# KiCad board tiddlywink_square.kicad_pcb
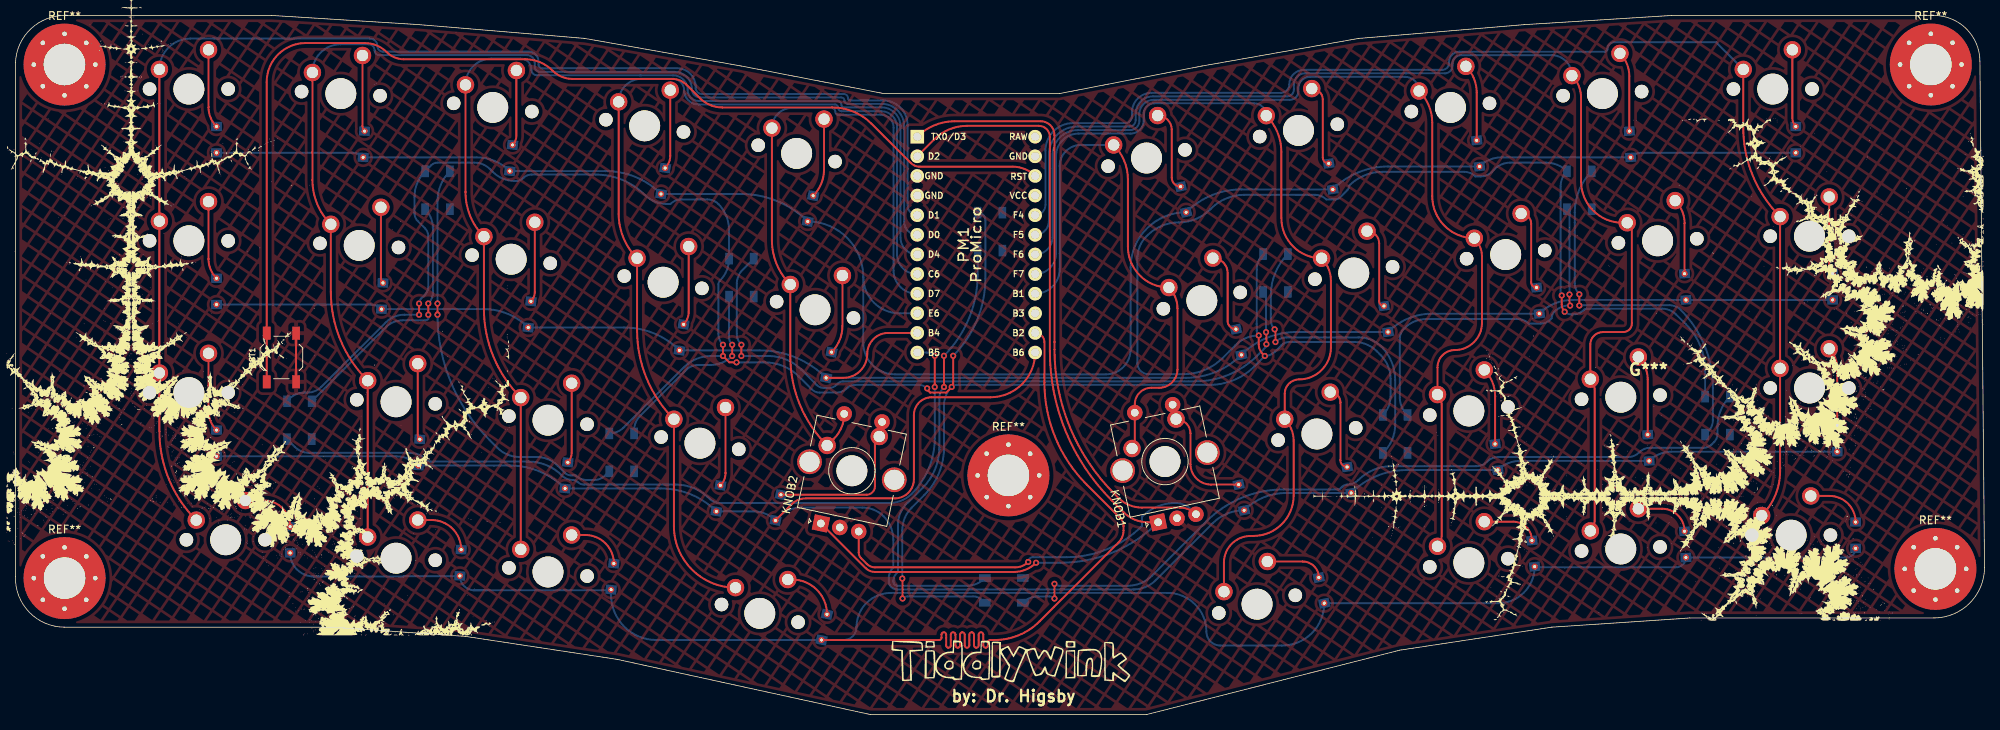
[diagram p0: board, top side]
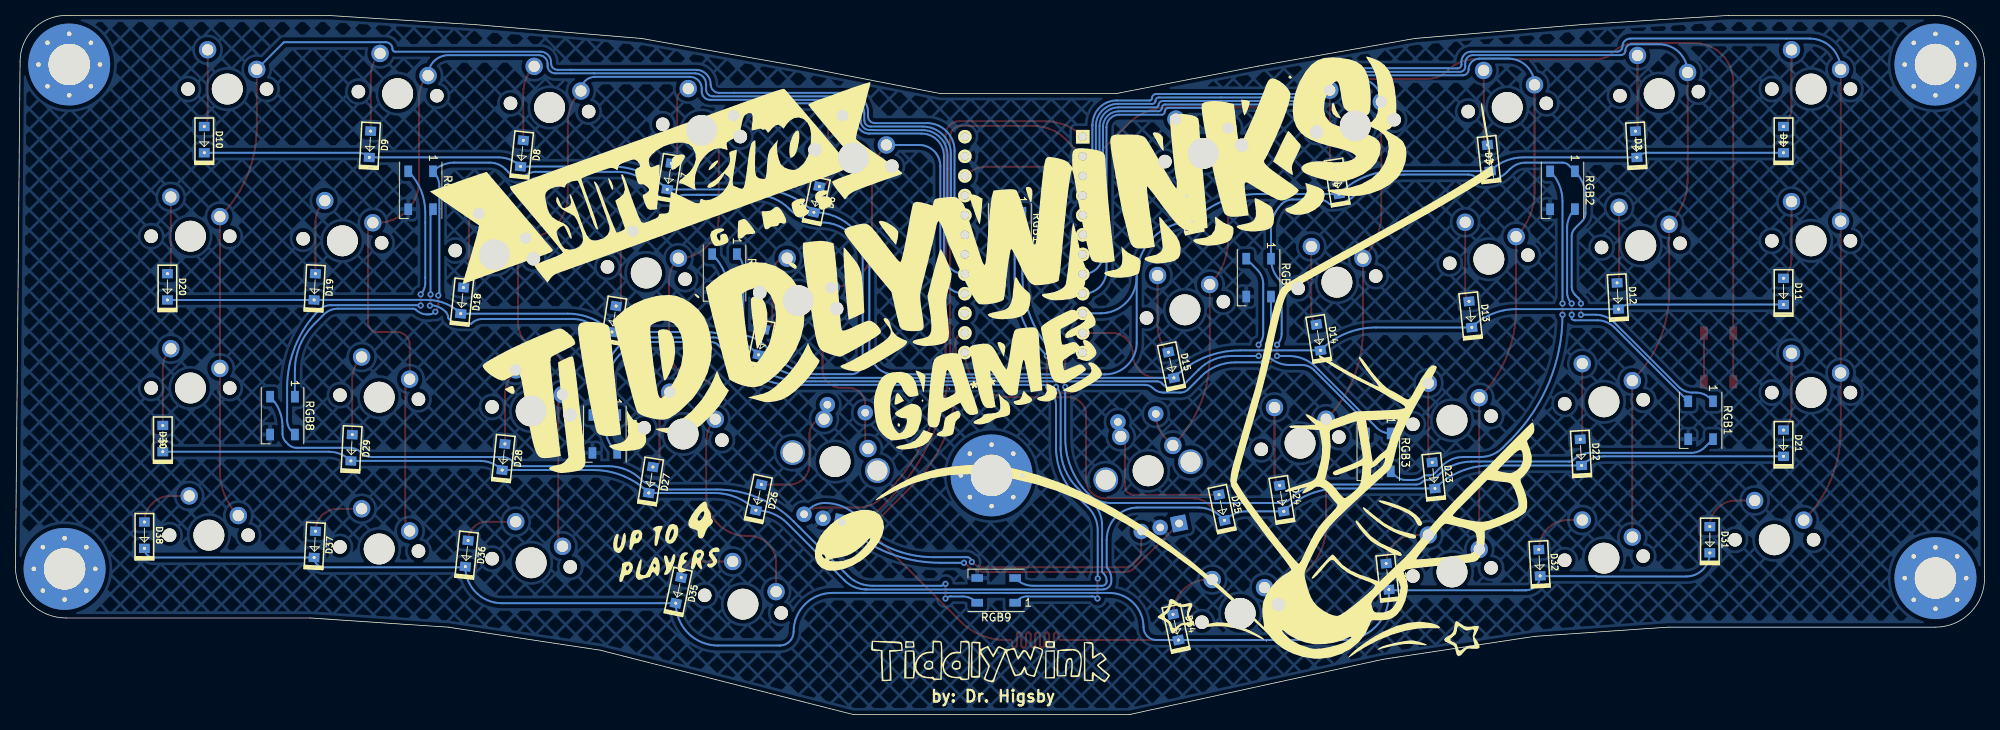
[diagram p1: board, bottom side, seen from below]

Outline 254.6 x 90.49 mm; copper layers: Top, Bottom. Coordinates in mm from the lower left corner of the outline.
Outline path: circle c6.33,84.14 r2.65 ; circle c6.35,17.66 r2.65 ; circle c128.39,30.96 r2.65 ; circle c247.65,84.14 r2.65 ; circle c248.25,18.85 r2.65 ; 0,84.34 arc(1.99,88.76) 6.53,90.48 33.14,90.49 52.19,89.3 73.62,87.51 93.86,83.94 112.32,80.37 134.94,80.37 153.39,83.94 173.63,87.51 195.06,89.3 214.11,90.49 248.05,90.49 arc(252.26,88.74) 254,84.53 254.6,19.05 arc(252.68,14.42) 248.05,12.5 216.5,12.5 198.64,11.31 178.99,8.33 146.25,0 110.53,0 77.79,7.14 58.14,10.12 40.88,11.31 6.35,11.31 arc(1.79,13.24) 0,17.85 0,84.34

## Placement (name value [footprint] x y rotation side)
   LOGO  [mandelbrot1]  31.35 53.58 270 top
 #2  LOGO  [tiddlytext]  128.67 6.96 0 top
 #3  LOGO  [tiddlytext]  128.56 6.95 180 bottom
D1  D_Small  [D_SOD123_via]  26 74.41 90 bottom
D2  D_Small  [D_SOD123_via]  45.05 73.82 87 bottom
D3  D_Small  [D_SOD123_via]  64.1 72.03 84 bottom
D4  D_Small  [D_SOD123_via]  83.74 69.06 81 bottom
D5  D_Small  [D_SOD123_via]  102.79 65.48 78 bottom
D6  D_Small  [D_SOD123_via]  151.01 66.68 102 bottom
D7  D_Small  [D_SOD123_via]  170.06 69.65 99 bottom
D8  D_Small  [D_SOD123_via]  189.11 72.63 96 bottom
D9  D_Small  [D_SOD123_via]  208.76 73.82 93 bottom
D10  D_Small  [D_SOD123_via]  230.19 74.41 90 bottom
D11  D_Small  [D_SOD123_via]  26 54.77 90 bottom
D12  D_Small  [D_SOD123_via]  47.43 54.17 87 bottom
D13  D_Small  [D_SOD123_via]  66.48 51.79 84 bottom
D14  D_Small  [D_SOD123_via]  86.12 48.82 81 bottom
D15  D_Small  [D_SOD123_via]  105.17 45.24 78 bottom
D16  D_Small  [D_SOD123_via]  158.15 48.22 102 bottom
D17  D_Small  [D_SOD123_via]  177.2 51.2 99 bottom
D18  D_Small  [D_SOD123_via]  196.85 53.58 96 bottom
D19  D_Small  [D_SOD123_via]  215.9 55.36 93 bottom
D20  D_Small  [D_SOD123_via]  234.95 55.36 90 bottom
D21  D_Small  [D_SOD123_via]  26 35.12 90 bottom
D22  D_Small  [D_SOD123_via]  52.19 33.93 87 bottom
D23  D_Small  [D_SOD123_via]  71.24 30.96 84 bottom
D24  D_Small  [D_SOD123_via]  90.88 27.98 81 bottom
D25  D_Small  [D_SOD123_via]  98.62 26.79 78 bottom
D26  D_Small  [D_SOD123_via]  158.51 28.1 102 bottom
D27  D_Small  [D_SOD123_via]  172.44 30.36 99 bottom
D28  D_Small  [D_SOD123_via]  191.49 33.34 96 bottom
D29  D_Small  [D_SOD123_via]  211.14 34.53 93 bottom
D30  D_Small  [D_SOD123_via]  235.55 35.72 90 bottom
D31  D_Small  [D_SOD123_via]  35.52 22.62 90 bottom
D32  D_Small  [D_SOD123_via]  57.55 19.65 87 bottom
D33  D_Small  [D_SOD123_via]  77.19 17.86 84 bottom
D34  D_Small  [D_SOD123_via]  104.58 11.31 78 bottom
D35  D_Small  [D_SOD123_via]  168.87 16.07 102 bottom
D36  D_Small  [D_SOD123_via]  196.25 20.84 96 bottom
D37  D_Small  [D_SOD123_via]  215.9 22.03 93 bottom
D38  D_Small  [D_SOD123_via]  237.93 23.22 90 bottom
G***  LOGO  [mandelbrot1]  211.14 44.65 0 top
G***#2  LOGO  [tiddly2]  130.18 42.27 171 bottom
KNOB1  RotaryEncoder_Switch  [RotaryEncoder_Alps_EC11E-Switch_Vertical_H20mm_CircularMountingHoles]  148.63 32.74 102 top
KNOB2  RotaryEncoder_Switch  [RotaryEncoder_Alps_EC11E-Switch_Vertical_H20mm_CircularMountingHoles]  108.15 31.55 78 top
MX1  MX-NoLED  [MXOnly-1U-NoLED]  22.42 80.96 0 top
MX2  MX-NoLED  [MXOnly-1U-NoLED]  42.07 80.37 357 top
MX3  MX-NoLED  [MXOnly-1U-NoLED]  61.71 78.58 354 top
MX4  MX-NoLED  [MXOnly-1U-NoLED]  81.36 76.2 351 top
MX5  MX-NoLED  [MXOnly-1U-NoLED]  101 72.63 348 top
MX6  MX-NoLED  [MXOnly-1U-NoLED]  146.25 72.03 12 top
MX7  MX-NoLED  [MXOnly-1U-NoLED]  165.89 75.6 9 top
MX8  MX-NoLED  [MXOnly-1U-NoLED]  185.54 78.58 6 top
MX9  MX-NoLED  [MXOnly-1U-NoLED]  205.18 80.37 3 top
MX10  MX-NoLED  [MXOnly-1.25U-NoLED]  227.21 80.96 0 top
MX11  MX-NoLED  [MXOnly-1.25U-NoLED]  22.42 61.32 0 top
MX12  MX-NoLED  [MXOnly-1U-NoLED]  44.45 60.72 357 top
MX13  MX-NoLED  [MXOnly-1U-NoLED]  64.1 58.94 354 top
MX14  MX-NoLED  [MXOnly-1U-NoLED]  83.74 55.96 351 top
MX15  MX-NoLED  [MXOnly-1U-NoLED]  103.39 52.39 348 top
MX16  MX-NoLED  [MXOnly-1U-NoLED]  153.39 53.58 12 top
MX17  MX-NoLED  [MXOnly-1U-NoLED]  173.04 57.15 9 top
MX18  MX-NoLED  [MXOnly-1U-NoLED]  192.68 59.53 6 top
MX19  MX-NoLED  [MXOnly-1U-NoLED]  212.33 61.32 3 top
MX20  MX-NoLED  [MXOnly-1U-NoLED]  231.97 61.91 0 top
MX21  MX-NoLED  [MXOnly-1.75U-NoLED]  22.42 41.67 0 top
MX22  MX-NoLED  [MXOnly-1U-NoLED]  49.21 40.48 357 top
MX23  MX-NoLED  [MXOnly-1U-NoLED]  68.86 38.1 354 top
MX24  MX-NoLED  [MXOnly-1U-NoLED]  88.5 35.12 351 top
MX25  MX-NoLED  [MXOnly-1U-NoLED#2]  108.15 31.55 348 top
MX26  MX-NoLED  [MXOnly-1U-NoLED#2]  148.63 32.74 12 top
MX27  MX-NoLED  [MXOnly-1U-NoLED]  168.28 36.31 9 top
MX28  MX-NoLED  [MXOnly-1U-NoLED]  187.92 39.29 6 top
MX29  MX-NoLED  [MXOnly-1U-NoLED]  207.57 41.08 3 top
MX30  MX-NoLED  [MXOnly-1.5U-NoLED]  231.97 42.27 0 top
MX31  MX-NoLED  [MXOnly-1.25U-NoLED]  27.19 22.62 0 top
MX32  MX-NoLED  [MXOnly-1U-NoLED]  49.21 20.24 357 top
MX33  MX-NoLED  [MXOnly-1U-NoLED]  68.86 18.45 354 top
MX34  MX-NoLED  [MXOnly-1.75U-NoLED]  96.24 13.1 347 top
MX35  MX-NoLED  [MXOnly-1.75U-NoLED]  160.54 14.29 13 top
MX36  MX-NoLED  [MXOnly-1U-NoLED]  187.92 19.65 6 top
MX37  MX-NoLED  [MXOnly-1U-NoLED]  207.57 21.43 3 top
MX38  MX-NoLED  [MXOnly-1.25U-NoLED]  229.59 23.22 0 top
PM1  ProMicro  [ArduinoProMicro]  124.22 60.82 270 top
REF**  -  [MountingHole_5.3mm_M5_Pad_Via]  6.35 84.13 0 top
REF**#2  -  [MountingHole_5.3mm_M5_Pad_Via]  248.25 18.85 0 top
REF**#3  -  [MountingHole_5.3mm_M5_Pad_Via]  128.39 30.96 0 top
REF**#4  -  [MountingHole_5.3mm_M5_Pad_Via]  6.35 17.66 0 top
REF**#5  -  [MountingHole_5.3mm_M5_Pad_Via]  247.65 84.14 0 top
RGB1  WS2812B  [LED_WS2812B_PLCC4_5.0x5.0mm_P3.2mm]  36.71 38.1 270 bottom
RGB2  WS2812B  [LED_WS2812B_PLCC4_5.0x5.0mm_P3.2mm]  54.57 67.87 270 bottom
RGB3  WS2812B  [LED_WS2812B_PLCC4_5.0x5.0mm_P3.2mm]  78.38 33.93 270 bottom
RGB4  WS2812B  [LED_WS2812B_PLCC4_5.0x5.0mm_P3.2mm]  93.86 56.55 270 bottom
RGB5  WS2812B  [LED_WS2812B_PLCC4_5.0x5.0mm_P3.2mm]  162.92 57.15 270 bottom
RGB6  WS2812B  [LED_WS2812B_PLCC4_5.0x5.0mm_P3.2mm]  178.4 36.31 270 bottom
RGB7  WS2812B  [LED_WS2812B_PLCC4_5.0x5.0mm_P3.2mm]  202.21 67.87 270 bottom
RGB8  WS2812B  [LED_WS2812B_PLCC4_5.0x5.0mm_P3.2mm]  220.07 38.7 270 bottom
RGB9  WS2812B  [LED_WS2812B_PLCC4_5.0x5.0mm_P3.2mm]  127.79 16.07 0 bottom
RGB10  WS2812B  [LED_WS2812B_PLCC4_5.0x5.0mm_P3.2mm]  126.01 62.51 270 bottom
RST1  SW_Push  [SW_SPST_TL3342]  34.39 46.22 90 top

## Library data of the parts
PM1 = -: Field4: D4; Field5: F4; Field6: D1; Field7: B6; Field8: B2; Field9: GND; Field10: D0; Field11: F7; Field12: RAW; Field13: B4; Field14: B3; Field15: ST; Field16: F5; Field17: VCC; Field18: D2; Field19: D7; Field20: E6; Field21: F6; Field22: GND; Field23: C6; Field24: RST; Field25: GND; Field26: B1; Field27: B5; Field28: TX0/D3

## Footprints (pads in the part's own frame, mm; a bottom-side part is the same pattern mirrored in y, then rotated)
ArduinoProMicro
  rect 1.753x1.753 hole 1.092: 1(-13.97,-7.62)
  round 1.753 hole 1.092: 2(-11.43,-7.62) 3(-8.89,-7.62) 4(-6.35,-7.62) 5(-3.81,-7.62) 6(-1.27,-7.62) 7(1.27,-7.62) 8(3.81,-7.62) 9(6.35,-7.62) 10(8.89,-7.62) 11(11.43,-7.62) 12(13.97,-7.62) 13(13.97,7.62) 14(11.43,7.62) 15(8.89,7.62) 16(6.35,7.62) 17(3.81,7.62) 18(1.27,7.62) 19(-1.27,7.62) 20(-3.81,7.62) 21(-6.35,7.62) 22(-8.89,7.62) 23(-11.43,7.62) 24(-13.97,7.62)
D_SOD123_via
  round 0.8 hole 0.4: 1(-1.7,0) 2(1.7,0)
  rect 1.2x1.4 smd: 1(-1.7,0) 2(1.7,0)
LED_WS2812B_PLCC4_5.0x5.0mm_P3.2mm
  rect 1.5x1 smd: 1(-2.45,1.6) 2(-2.45,-1.6) 3(2.45,-1.6) 4(2.45,1.6)
MountingHole_5.3mm_M5_Pad_Via
  round 0.9 hole 0.6: 1(-3.975,0) 1(-2.811,2.811) 1(-2.811,-2.811) 1(0,3.975) 1(0,-3.975) 1(2.811,2.811) 1(2.811,-2.811) 1(3.975,0)
  round 10.6 hole 5.3: 1(0,0)
MXOnly-1.5U-NoLED
  round 1.75 hole 1.75 unplated: (-5.08,0) (5.08,0)
  round 3.988 hole 3.988 unplated: (0,0)
  round 2.25 hole 1.47: 1(-3.81,2.54) 2(2.54,5.08)
MXOnly-1.25U-NoLED
  round 1.75 hole 1.75 unplated: (-5.08,0) (5.08,0)
  round 3.988 hole 3.988 unplated: (0,0)
  round 2.25 hole 1.47: 1(-3.81,2.54) 2(2.54,5.08)
MXOnly-1.75U-NoLED
  round 1.75 hole 1.75 unplated: (-5.08,0) (5.08,0)
  round 3.988 hole 3.988 unplated: (0,0)
  round 2.25 hole 1.47: 1(-3.81,2.54) 2(2.54,5.08)
MXOnly-1U-NoLED
  round 1.75 hole 1.75 unplated: (-5.08,0) (5.08,0)
  round 3.988 hole 3.988 unplated: (0,0)
  round 2.25 hole 1.47: 1(-3.81,2.54) 2(2.54,5.08)
MXOnly-1U-NoLED#2
  round 3.988 hole 3.988 unplated: (0,0)
  round 2.25 hole 1.47: 1(-3.81,2.54) 2(2.54,5.08)
RotaryEncoder_Alps_EC11E-Switch_Vertical_H20mm_CircularMountingHoles
  rect 2x2 hole 1: A(-7.5,2.5)
  round 2 hole 1: B(-7.5,-2.5) C(-7.5,0) S1(7,-2.5) S2(7,2.5)
  round 3.2 hole 2.6: MP(0,5.6) MP(0,-5.6)
SW_SPST_TL3342
  rect 1.7x1 smd: 1(-3.15,1.9) 1(3.15,1.9) 2(-3.15,-1.9) 2(3.15,-1.9)

## Nets
+5V: RGB1.1 RGB2.1 RGB3.1 RGB4.1 RGB5.1 RGB6.1 RGB7.1 RGB8.1 RGB9.1 RGB10.1
GND: KNOB1.C KNOB2.C PM1.3 PM1.4 PM1.23 RGB1.3 RGB2.3 RGB3.3 RGB4.3 RGB5.3 RGB6.3 RGB7.3 RGB8.3 RGB9.3 RGB10.3 RST1.2
VCC: PM1.21
c1: MX1.1 MX11.1 MX21.1 MX31.1 PM1.5
c2: MX2.1 MX12.1 MX22.1 MX32.1 PM1.6
c3: MX3.1 MX13.1 MX23.1 MX33.1 PM1.7
c4: MX4.1 MX14.1 MX24.1 MX34.1 PM1.8
c5: KNOB2.S2 MX5.1 MX15.1 MX25.1 PM1.9
c6: KNOB1.S2 MX6.1 MX16.1 MX26.1 PM1.16
c7: MX7.1 MX17.1 MX27.1 MX35.1 PM1.17
c8: MX8.1 MX18.1 MX28.1 MX36.1 PM1.18
c9: MX9.1 MX19.1 MX29.1 MX37.1 PM1.19
c10: MX10.1 MX20.1 MX30.1 MX38.1 PM1.20
PM1: KNOB1.A KNOB2.A PM1.2
PM2: KNOB1.B KNOB2.B PM1.1
r1: D1.1 D2.1 D3.1 D4.1 D5.1 D6.1 D7.1 D8.1 D9.1 D10.1 PM1.10
r2: D11.1 D12.1 D13.1 D14.1 D15.1 D16.1 D17.1 D18.1 D19.1 D20.1 PM1.11
r3: D21.1 D22.1 D23.1 D24.1 D25.1 D26.1 D27.1 D28.1 D29.1 D30.1 PM1.13
r4: D31.1 D32.1 D33.1 D34.1 D35.1 D36.1 D37.1 D38.1 PM1.14
RGB: PM1.12 RGB1.4
RST: PM1.22 RST1.1
Net-(D1-Pad2): D1.2 MX1.2
Net-(D2-Pad2): D2.2 MX2.2
Net-(D3-Pad2): D3.2 MX3.2
Net-(D4-Pad2): D4.2 MX4.2
Net-(D5-Pad2): D5.2 MX5.2
Net-(D6-Pad2): D6.2 MX6.2
Net-(D7-Pad2): D7.2 MX7.2
Net-(D8-Pad2): D8.2 MX8.2
Net-(D9-Pad2): D9.2 MX9.2
Net-(D10-Pad2): D10.2 MX10.2
Net-(D11-Pad2): D11.2 MX11.2
Net-(D12-Pad2): D12.2 MX12.2
Net-(D13-Pad2): D13.2 MX13.2
Net-(D14-Pad2): D14.2 MX14.2
Net-(D15-Pad2): D15.2 MX15.2
Net-(D16-Pad2): D16.2 MX16.2
Net-(D17-Pad2): D17.2 MX17.2
Net-(D18-Pad2): D18.2 MX18.2
Net-(D19-Pad2): D19.2 MX19.2
Net-(D20-Pad2): D20.2 MX20.2
Net-(D21-Pad2): D21.2 MX21.2
Net-(D22-Pad2): D22.2 MX22.2
Net-(D23-Pad2): D23.2 MX23.2
Net-(D24-Pad2): D24.2 MX24.2
Net-(D25-Pad2): D25.2 KNOB2.S1 MX25.2
Net-(D26-Pad2): D26.2 KNOB1.S1 MX26.2
Net-(D27-Pad2): D27.2 MX27.2
Net-(D28-Pad2): D28.2 MX28.2
Net-(D29-Pad2): D29.2 MX29.2
Net-(D30-Pad2): D30.2 MX30.2
Net-(D32-Pad2): D32.2 MX32.2
Net-(D33-Pad2): D33.2 MX33.2
Net-(D34-Pad2): D34.2 MX34.2
Net-(D35-Pad2): D35.2 MX35.2
Net-(D36-Pad2): D36.2 MX36.2
Net-(D37-Pad2): D37.2 MX37.2
Net-(MX31-Pad2): D31.2 MX31.2
Net-(MX38-Pad2): D38.2 MX38.2
Net-(RGB1-Pad2): RGB1.2 RGB2.4
Net-(RGB2-Pad2): RGB2.2 RGB3.4
Net-(RGB3-Pad2): RGB3.2 RGB4.4
Net-(RGB4-Pad2): RGB4.2 RGB5.4
Net-(RGB5-Pad2): RGB5.2 RGB6.4
Net-(RGB6-Pad2): RGB6.2 RGB7.4
Net-(RGB7-Pad2): RGB7.2 RGB8.4
Net-(RGB8-Pad2): RGB8.2 RGB9.4
Net-(RGB10-Pad4): RGB9.2 RGB10.4

Pads without a net: KNOB1 MP; KNOB2 MP; PM1 15 24; REF** 1; REF**#2 1; REF**#3 1; REF**#4 1; REF**#5 1; RGB10 2

## Via types
v1: diameter 0.8, hole 0.4, Top to Bottom, 38 vias

## Routing (per net, layer and track width the routed paths; a pad name or vN(x,y) marks a point on that pad's centre or on a via; arc(x,y) is an arc through that point)
+5V: length 438.5
  Top w0.25: v1(93.23,45.59) 92.31,45.59 v1(91.48,46.41) v1(91.48,47.86) ; v1(161.54,46.41) 161.25,46.7 arc(160.88,47.26) 160.75,47.91 v1(160.75,49.07) ; v1(52.19,51.75) v1(52.19,53.2) ; v1(117.88,42.22) 117.79,42.22 arc(117.73,42.23) 117.67,42.27 118.26,41.68 120.35,41.68 121.05,42.38 v1(121.05,42.4) arc(121.2,42.61) 121.25,42.86 v1(121.25,46.43) ; v1(199.93,54.25) 199.93,53.06 arc(200.03,52.56) v1(200.31,52.14) ; v1(114.7,15.02) 114.7,17.53 arc(114.69,17.57) v1(114.66,17.61)
  Bottom w0.25: 120.05,34.53 120.05,33.93 ; 120.05,34.53 120.05,39.99 arc(120.31,41.29) v1(121.05,42.4) arc(121.36,42.6) 121.72,42.68 148.44,42.68 ; 120.05,34.53 arc(119.4,31.23) 117.53,28.43 115.89,26.79 arc(114.98,25.43) 114.66,23.84 v1(114.66,17.61) ; v1(52.19,51.75) 50.29,51.75 arc(48.98,51.49) 47.87,50.75 39.54,42.41 arc(38.72,41.86) 37.75,41.67 37.31,41.67 arc(36.31,41.47) 35.47,40.91 RGB1.1 ; 148.44,42.68 148.82,42.68 ; 148.44,42.68 148.45,42.67 154.4,42.67 arc(157.54,43.3) 160.2,45.07 v1(161.54,46.41) arc(162.24,46.55) 162.84,46.95 163.69,47.8 arc(164.15,48.11) 164.7,48.22 173.14,48.22 arc(174.7,47.91) 176.01,47.03 176.54,46.51 arc(177.47,45.11) 177.8,43.46 177.8,41.19 arc(177.54,39.88) RGB6.1 ; RGB8.1 218.47,44.55 arc(217.83,47.77) 216,50.5 214.71,51.79 arc(213.89,52.34) 212.92,52.53 203.16,52.53 arc(202.96,52.5) 202.8,52.39 arc(202.14,51.95) 201.37,51.79 201.14,51.79 arc(200.69,51.88) v1(200.31,52.14) ; 166.49,67.27 168.03,67.27 arc(168.81,67.12) 169.47,66.68 170.66,66.68 arc(170.98,66.74) 171.25,66.92 172.2,67.87 arc(172.38,68.14) 172.44,68.46 arc(174.42,69.78) 176.75,70.25 187.33,70.25 arc(188.1,70.09) 188.76,69.65 189.46,69.65 arc(190.24,69.81) 190.9,70.25 191.25,70.6 arc(192.18,71.22) 193.28,71.44 197.9,71.44 arc(199.37,71.15) RGB7.1 arc(200,69.4) 199.78,68.33 199.78,54.59 arc(199.82,54.4) v1(199.93,54.25) ; 166.49,67.27 165.55,67.27 ; 166.49,67.27 158.89,67.27 arc(156.56,66.81) 154.58,65.48 154.48,65.38 arc(152.62,64.14) 150.42,63.7 arc(148.22,63.26) 146.35,62.01 146.25,61.91 arc(145.37,60.59) 145.06,59.04 145.06,45.49 arc(145.48,44.47) 146.5,44.05 151.01,44.05 arc(153.76,44.6) 156.09,46.16 157.76,47.83 arc(159.13,48.75) v1(160.75,49.07) arc(160.56,49.35) 160.49,49.69 160.49,57.61 arc(160.71,58.69) RGB5.1 ; v1(91.48,46.41) 89.96,46.41 arc(88.04,46.03) 86.42,44.95 78.62,37.14 arc(77.77,36.58) RGB3.1 ; v1(93.23,45.59) 96.89,45.59 arc(99.28,45.11) 101.3,43.76 102.97,42.09 arc(103.43,41.78) 103.98,41.67 106.12,41.67 arc(106.89,41.83) 107.55,42.27 arc(108.01,42.57) 108.54,42.68 116.78,42.68 arc(117.38,42.56) v1(117.88,42.22) ; RGB9.1 125.03,14.79 arc(124.47,15.16) 123.81,15.29 115.36,15.29 arc(115,15.22) v1(114.7,15.02) ; RGB10.1 arc(125.12,64.66) 125.41,63.95 125.41,56.49 arc(124.33,51.05) v1(121.25,46.43) ; v1(52.19,53.2) arc(52.26,53.55) 52.46,53.85 52.96,54.35 arc(53.27,54.81) 53.38,55.36 53.38,61.91 arc(53.27,62.46) 52.96,62.93 52.01,63.87 arc(51.7,64.34) 51.59,64.89 51.59,66.99 arc(51.95,68.79) RGB2.1 53.75,71.1 arc(54.13,71.35) 54.57,71.44 59.33,71.44 arc(60.43,71.22) 61.37,70.6 61.71,70.25 arc(63.03,69.37) 64.59,69.06 64.69,69.06 arc(65.24,69.17) 65.71,69.48 arc(66.17,69.78) 66.71,69.89 75.03,69.89 arc(78.45,69.21) 81.36,67.27 arc(82.68,66.39) 84.23,66.08 84.68,66.08 arc(85.34,66.52) 86.12,66.68 89.45,66.68 arc(90.23,66.52) 90.88,66.08 arc(91.9,64.56) 92.26,62.76 RGB4.1 arc(91.95,57.46) 91.08,56.16 arc(90.94,55.94) 90.88,55.68 90.88,49.3 arc(91.04,48.52) v1(91.48,47.86)
GND: length 6.3
  Top w0.25: RST1.2 RST1.2
c1: length 177.7
  Top w0.25: MX1.1 MX11.1 MX21.1 18.61,36.66 arc(19.85,30.44) MX31.1
  Bottom w0.25: PM1.5 arc(115.72,65) 115.36,65.88 115.36,76.27 arc(115.35,76.28) 115.35,76.28 115.35,76.35 arc(114.43,78.57) 112.21,79.49 107.93,79.49 arc(107.73,79.57) 107.65,79.77 arc(107.48,80.16) 107.09,80.33 97.28,80.33 97.27,80.32 88.76,80.32 arc(88.18,80.55) 87.95,81.13 87.95,81.25 arc(87.24,82.95) 85.54,83.66 69.35,83.66 arc(69.34,83.65) 69.34,83.64 68.11,83.64 arc(67.78,83.78) 67.64,84.12 67.64,84.52 arc(67.26,85.43) 66.35,85.81 47.5,85.81 arc(47.02,86.01) 46.82,86.49 arc(46.52,87.2) 45.81,87.49 22.6,87.49 arc(19.78,86.32) MX1.1
c2: length 161.9
  Top w0.25: MX32.1 MX22.1 arc(42.02,48.49) 40.78,54.71 MX12.1 arc(39.02,66.1) 38.4,69.21 MX2.1
  Bottom w0.25: 112.02,79.04 107.6,79.04 arc(107.31,79.15) 107.2,79.44 107.2,79.44 arc(107.07,79.75) 106.76,79.88 98.75,79.88 98.74,79.87 88.51,79.87 arc(88.49,79.88) 88.48,79.9 arc(87.76,80.19) 87.47,80.91 87.47,80.93 arc(86.8,82.53) 85.2,83.19 69.38,83.19 67.83,83.19 arc(67.35,83.39) 67.15,83.88 67.15,84.35 arc(66.85,85.06) 66.14,85.36 47.05,85.36 arc(46.61,85.54) 46.44,85.97 arc(46.2,86.53) 45.65,86.76 42.05,86.76 arc(39.47,85.69) MX2.1 ; PM1.6 arc(115.4,62.59) 114.91,63.79 114.91,76.16 arc(114.06,78.2) 112.02,79.05
c3: length 143
  Top w0.25: MX3.1 58.19,67.61 arc(58.81,64.5) MX13.1 60.57,52.52 arc(61.81,46.3) MX23.1 MX33.1
  Bottom w0.25: PM1.7 arc(115.07,60.19) 114.44,61.72 114.44,76.14 arc(113.72,77.87) 111.99,78.59 107.08,78.59 arc(106.89,78.66) 106.82,78.85 arc(106.65,79.25) 106.25,79.42 88.36,79.42 arc(87.34,79.84) 86.92,80.86 arc(86.36,82.19) 85.03,82.74 80.84,82.74 80.78,82.74 67.45,82.74 arc(66.93,82.95) 66.72,83.47 arc(66.3,84.49) 65.28,84.91 61.59,84.91 arc(59.19,83.91) MX3.1
c4: length 131.1
  Top w0.25: MX4.1 77.99,64.81 arc(78.61,61.7) MX14.1 80.37,49.73 arc(81.61,43.5) MX24.1 85.14,24.39 arc(87.47,18.76) MX34.1
  Bottom w0.25: PM1.8 116.55,57.01 arc(114.74,57.77) 113.99,59.58 113.99,76.04 arc(113.39,77.49) 111.94,78.09 106.81,78.09 arc(106.49,78.22) 106.37,78.53 106.37,78.56 arc(106.25,78.85) 105.96,78.97 88.3,78.97 arc(87,79.51) 86.46,80.82 arc(86.03,81.86) 84.99,82.29 80.98,82.29 arc(78.87,81.41) MX4.1
c5: length 89.8
  Top w0.25: MX5.1 97.81,61.41 arc(98.42,58.3) MX15.1 100.19,46.33 arc(101.43,40.1) MX25.1 105.83,35.71 arc(106.81,37.18) KNOB2.S2
  Bottom w0.25: PM1.9 116.52,54.47 arc(114.41,55.35) 113.54,57.46 113.54,76 arc(113.06,77.16) 111.9,77.64 106.39,77.64 arc(106.12,77.75) 106.01,78.02 arc(105.86,78.37) 105.5,78.52 100.42,78.52 arc(98.57,77.75) MX5.1
c6: length 73.7
  Top w0.25: MX26.1 arc(144.63,34.54) 144.73,34.79 KNOB1.S2 144.73,40.15 arc(145.36,41.67) 146.88,42.3 147.87,42.3 arc(149.55,42.99) 150.25,44.68 150.25,52.59 arc(149.96,54.04) MX16.1 arc(145.39,56.82) 143.84,60.57 143.84,69.28 arc(143.36,71.68) MX6.1
  Bottom w0.25: MX6.1 137.75,73.73 arc(135.82,72.92) 135.02,70.99 135.02,57.65 arc(134.09,55.4) PM1.16
c7: length 123.6
  Top w0.25: MX35.1 156.25,19.66 arc(157.26,22.11) 159.71,23.12 160.05,23.12 arc(163.74,24.65) 165.27,28.34 165.27,35.45 arc(164.97,36.95) MX27.1 164.11,41.53 arc(164.66,42.83) 165.97,43.38 arc(168.88,44.58) 170.09,47.5 170.09,56.14 arc(169.77,57.72) MX17.1 arc(165.2,60.59) 163.68,64.26 163.68,72.83 arc(163.17,75.37) MX7.1
  Bottom w0.25: MX7.1 arc(161.26,78.65) 160.13,79.12 147.21,79.12 arc(146.27,78.73) 145.88,77.78 145.88,76.88 arc(145.38,75.69) 144.2,75.2 137.44,75.2 arc(135.39,74.35) 134.55,72.3 134.55,61.87 134.55,59.72 arc(133.75,57.81) PM1.17
c8: length 135.2
  Top w0.25: MX36.1 arc(184.27,22.37) 184.41,23.08 184.41,40.11 arc(184.27,40.82) MX28.1 183.87,44.94 arc(184.52,46.52) 186.11,47.18 arc(188.59,48.21) 189.62,50.69 189.62,59.27 arc(189.36,60.57) MX18.1 arc(184.78,63.25) 183.19,67.1 183.19,76.6 arc(182.74,78.82) MX8.1
  Bottom w0.25: MX8.1 arc(180.95,82.01) 179.65,82.55 167.41,82.55 arc(166.32,82.1) 165.87,81.01 165.87,80.65 arc(165.55,79.88) 164.79,79.57 147.17,79.57 arc(145.86,79.02) 145.32,77.72 145.32,76.85 arc(144.97,76) 144.12,75.65 143.57,75.65 143.57,75.65 137.33,75.65 arc(135.04,74.7) 134.1,72.42 134.1,61.81 arc(133.44,60.21) PM1.18
c9: length 156.4
  Top w0.25: MX9.1 arc(202.12,81.4) 202.43,79.86 202.43,69.02 arc(204,65.23) 207.79,63.65 MX19.1 arc(208.82,63.48) 209,63.05 209,50.62 arc(208.67,49.83) 207.89,49.51 205.25,49.51 arc(204.1,49.03) 203.63,47.89 MX29.1 arc(204.04,42.8) 204.19,42.07 204.19,25.12 arc(204.04,24.39) MX37.1
  Bottom w0.25: MX9.1 arc(200.47,84.57) 198.6,85.35 186.93,85.35 arc(186.13,85.02) 185.8,84.21 185.8,83.97 arc(185.51,83.28) 184.83,83 179.81,83 179.8,83 166.74,83 arc(165.72,82.58) 165.3,81.56 165.3,80.9 arc(165.04,80.27) 164.41,80.02 147.08,80.02 arc(145.5,79.36) 144.85,77.78 144.85,76.93 arc(144.61,76.35) 144.03,76.11 137.26,76.11 arc(134.69,75.04) 133.63,72.47 133.63,67.57 133.63,63.88 arc(133.1,62.62) PM1.19
c10: length 168.7
  Top w0.25: MX10.1 223.4,75.95 arc(224.64,69.73) MX20.1 MX30.1 228.16,31.51 arc(227.54,28.39) MX38.1
  Bottom w0.25: MX10.1 219.88,87.02 206.74,87.02 arc(206.11,86.76) 205.85,86.13 arc(205.75,85.89) 205.52,85.8 186.72,85.8 arc(185.75,85.4) 185.35,84.43 185.35,84.3 arc(185.1,83.7) 184.5,83.45 182.77,83.45 182.76,83.45 166.6,83.45 arc(165.26,82.9) 164.7,81.56 arc(164.38,80.79) 163.61,80.47 161.74,80.47 161.73,80.47 146.9,80.47 arc(145.11,79.73) 144.37,77.94 144.37,77.43 arc(144.11,76.81) 143.5,76.56 136.76,76.56 arc(134.22,75.51) 133.18,72.98 133.18,65.97 arc(132.79,65.03) PM1.20
PM1: length 123.8
  Top w0.25: KNOB1.A 146.43,24.89 arc(144.72,25.23) 143.27,26.19 141.75,27.72 arc(135.83,36.58) 133.75,47.03 133.75,74.76 arc(133.33,75.78) 132.31,76.2 123.03,76.2 arc(120.74,75.74) 118.79,74.44 PM1.2 ; 104.14,24.26 KNOB2.A 109.93,18.95 arc(110.48,18.58) 111.13,18.45 129.09,18.45 arc(130.64,18.76) v1(131.96,19.65)
  Bottom w0.25: v1(131.96,19.65) 135.09,19.65 arc(141.94,21.01) KNOB1.A
PM2: length 130.7
  Top w0.25: KNOB2.B 109.03,20.98 arc(109.11,20.58) 109.34,20.24 110.11,19.47 arc(110.58,19.16) 111.13,19.05 129.26,19.05 arc(130.17,19.23) v1(130.95,19.75) ; PM1.1 arc(118.82,76.28) 121.43,76.8 132.56,76.8 arc(133.82,76.27) 134.34,75.01 134.34,47.26 arc(136.35,37.15) 142.08,28.58 142.6,28.05 arc(144,27.12) 145.65,26.79 150.55,26.79 arc(151.68,26.56) KNOB1.B
  Bottom w0.25: 152.4,26.16 KNOB1.B 152.03,26.53 arc(151.08,27.16) 149.96,27.38 arc(147.63,26.92) 145.65,25.6 145.65,24.41 arc(141.18,21.42) 135.9,20.37 131.57,20.37 arc(131.13,20.19) v1(130.95,19.75) ; 152.8,26.19 152.62,26.02
r1: length 250.3
  Bottom w0.25: D1.1 43.52,72.71 arc(44.3,72.56) D2.1 59.62,72.12 arc(61.95,71.66) D3.1 76.32,70.34 arc(80.19,69.57) D4.1 93.85,67.38 arc(98.5,66.45) D5.1 ; PM1.10 114.32,51.93 arc(111,53.31) 109.63,56.63 ; 109.63,56.63 109.63,48.12 arc(110.82,45.23) 113.72,44.03 140.97,44.03 arc(143.24,44.97) 144.19,47.25 144.19,57.85 arc(146.28,62.91) 151.35,65.01 D6.1 arc(154.64,67.2) 158.51,67.97 D7.1 arc(173.61,70.17) 177.49,70.94 D8.1 arc(190.6,71.81) 192.15,72.12 D9.1 arc(209.5,72.56) 210.28,72.71 D10.1 ; 109.63,56.63 arc(107.52,61.72) D5.1 ; D5.1 102.84,63.42
r2: length 229.3
  Top w0.25: D15.1 107.04,43.58 arc(109.23,44.49) 110.14,46.68 arc(110.93,48.6) 112.85,49.39 PM1.11
  Bottom w0.25: D20.1 215.99,53.66 arc(215.99,53.66) D19.1 201.32,53.67 arc(199,53.2) D18.1 183.19,51.89 arc(180.1,51.27) D17.1 165.66,49.52 arc(161.79,48.75) D16.1 arc(155.21,44.35) 151.32,43.58 D15.1 arc(100.88,46.21) 96.23,47.14 D14.1 arc(82.57,49.33) 78.7,50.1 D13.1 arc(63.67,51.86) 60.57,52.48 D12.1 arc(46.68,52.91) 45.91,53.07 D11.1
r3: length 276.6
  Top w0.25: D25.1 100.37,27.22 arc(101.21,27.78) 102.2,27.98 113.7,27.98 arc(115.44,28.7) 116.17,30.45 116.17,38.76 arc(116.84,40.39) 118.48,41.07 126.05,41.07 arc(130.15,42.76) PM1.13 arc(131.9,46.83) 131.93,46.77
  Bottom w0.25: D21.1 49.23,33.42 arc(50.78,33.11) D22.1 63.89,32.24 arc(67.77,31.46) D23.1 83.46,29.27 arc(87.33,28.5) D24.1 95.43,26.3 arc(96.97,26) D25.1 98.75,25.61 arc(100.06,26.48) 101.6,26.79 109.54,26.79 arc(111,26.5) 112.24,25.67 arc(113.18,24.27) 113.51,22.62 113.51,19.05 arc(113.07,18.39) 112.91,17.61 112.91,17.26 arc(113.22,16.51) 113.98,16.2 144.59,16.2 ; 144.59,16.2 144.82,16.2 ; 144.59,16.2 arc(146.11,16.5) 147.41,17.36 154.8,24.76 arc(156.66,26) D26.1 arc(161.35,28.1) 164.27,28.68 D27.1 arc(175.99,30.88) 179.87,31.65 D28.1 arc(192.98,32.52) 194.53,32.83 D29.1 arc(212.54,33.71) 214.1,34.02 D30.1
r4: length 317.3
  Top w0.25: D34.1 119.44,9.65 arc(119.65,9.74) 119.74,9.95 119.74,10.35 arc(119.82,10.56) 120.04,10.65 arc(120.25,10.56) 120.34,10.35 120.34,8.95 arc(120.42,8.74) 120.64,8.65 arc(120.85,8.74) 120.94,8.95 120.94,10.35 arc(121.02,10.56) 121.24,10.65 arc(121.45,10.56) 121.54,10.35 121.54,8.95 arc(121.62,8.74) 121.84,8.65 arc(122.05,8.74) 122.14,8.95 122.14,10.35 arc(122.22,10.56) 122.44,10.65 arc(122.65,10.56) 122.74,10.35 122.74,8.95 arc(122.82,8.74) 123.04,8.65 arc(123.25,8.74) 123.34,8.95 123.34,10.35 arc(123.42,10.56) 123.64,10.65 arc(123.85,10.56) 123.94,10.35 123.94,8.95 arc(124.02,8.74) 124.24,8.65 arc(124.45,8.74) 124.54,8.95 124.54,10.35 arc(124.62,10.56) 124.84,10.65 arc(125.05,10.56) 125.14,10.35 125.14,8.95 arc(125.22,8.74) 125.44,8.65 arc(125.65,8.74) 125.74,8.95 125.74,9.35 arc(125.82,9.56) 126.04,9.65 126.59,9.65 arc(129.74,10.27) 132.41,12.06 142.64,22.29 arc(143.11,22.99) 143.27,23.81 143.27,24.41 arc(143.16,24.96) 142.85,25.42 138.52,29.76 arc(134.47,35.82) 133.04,42.97 133.04,48.19 arc(132.69,49.04) PM1.14
  Bottom w0.25: 60.83,16.09 76.93,16.09 D33.1 77.01,15.5 arc(78.73,11.36) 82.86,9.65 D34.1 107.08,9.65 arc(108.26,10.14) 108.74,11.31 arc(110.04,14.44) 113.17,15.74 144.63,15.74 145.06,15.74 148.96,15.74 arc(152.51,14.27) 153.99,10.72 arc(154.51,9.45) 155.77,8.93 163.74,8.93 arc(167.62,10.54) D35.1 191.7,14.41 arc(195.05,15.8) D36.1 196.51,19.06 214.72,19.06 arc(215.62,19.43) D37.1 236.74,20.33 arc(237.58,20.68) D38.1 ; 60.83,16.09 59.25,16.09 ; 60.83,16.09 59.32,16.09 arc(58,16.63) D32.1 ; 57.42,17.91 50.23,17.91 50.19,17.87 38.57,17.87 arc(36.41,18.77) D31.1
RGB: length 104.5
  Top w0.25: v1(118.86,42.4) v1(118.86,46.43)
  Bottom w0.25: PM1.12 117.85,46.85 arc(118.4,46.75) v1(118.86,46.43) ; RGB1.4 36.13,34.63 arc(36.97,34.07) 37.96,33.87 50.94,33.87 arc(52.15,33.63) 53.18,32.95 arc(53.4,32.8) 53.67,32.74 66.33,32.74 arc(68.67,32.28) 70.64,30.96 arc(71.3,30.52) 72.08,30.36 arc(72.4,30.3) 72.68,30.11 arc(73.06,29.86) 73.52,29.77 85.38,29.77 arc(87.72,29.3) 89.69,27.98 arc(90.35,27.54) 91.13,27.38 113.01,27.38 arc(114.57,27.69) 115.89,28.58 arc(118.09,31.87) 118.86,35.76 v1(118.86,42.4)
RST: length 146.7
  Top w0.25: RST1.1 RST1.1 32.49,81.88 arc(33.96,85.44) 37.52,86.92 45.15,86.92 arc(46.7,86.61) 48.02,85.73 arc(49.03,85.05) 50.21,84.82 65.9,84.82 arc(67.82,84.43) 69.45,83.34 arc(70.64,82.55) 72.05,82.27 84.93,82.27 arc(85.92,82.07) 86.76,81.51 88.5,79.77 arc(89.82,78.89) 91.38,78.58 105.63,78.58 arc(108.35,78.04) 110.66,76.5 115.78,71.38 arc(116.29,71.04) 116.9,70.92 128.94,70.92 arc(130.51,70.6) PM1.22
  Bottom w0.25: 131.79,69.77 arc(131.83,69.75) PM1.22
Net-(D1-Pad2): length 10.2
  Top w0.25: MX1.2 24.96,78.61 arc(25.23,77.26) D1.2
Net-(D2-Pad2): length 9.9
  Top w0.25: MX2.2 44.87,76.15 arc(44.94,75.81) D2.2
Net-(D3-Pad2): length 9.8
  Top w0.25: MX3.2 64.77,74.93 arc(64.64,74.28) D3.2
Net-(D4-Pad2): length 10.3
  Top w0.25: MX4.2 84.66,72.32 arc(84.49,71.46) D4.2
Net-(D5-Pad2): length 10.3
  Top w0.25: MX5.2 104.55,70.53 arc(104.18,68.7) D5.2
Net-(D6-Pad2): length 10.9
  Top w0.25: D6.2 arc(149.84,68.68) 149.51,69.49 149.51,75.7 arc(148.97,76.99) MX6.2
Net-(D7-Pad2): length 10.9
  Top w0.25: MX7.2 arc(168.62,80.6) 169.04,79.59 169.04,72.09 arc(169.26,71.55) D7.2
Net-(D8-Pad2): length 10
  Top w0.25: D8.2 188.93,80.52 arc(188.57,82.35) MX8.2
Net-(D9-Pad2): length 10.4
  Top w0.25: D9.2 208.67,82.65 arc(208.35,84.23) MX9.2
Net-(D10-Pad2): length 10
  Top w0.25: MX10.2 229.75,77.17 arc(229.86,76.6) D10.2
Net-(D11-Pad2): length 10.2
  Top w0.25: MX11.2 24.96,58.96 arc(25.23,57.61) D11.2
Net-(D12-Pad2): length 9.9
  Top w0.25: MX12.2 47.25,56.51 arc(47.32,56.16) D12.2
Net-(D13-Pad2): length 10.4
  Top w0.25: MX13.2 67.15,54.69 arc(67.02,54.03) D13.2
Net-(D14-Pad2): length 10.3
  Top w0.25: MX14.2 87.04,52.08 arc(86.87,51.22) D14.2
Net-(D15-Pad2): length 10.3
  Top w0.25: MX15.2 106.93,50.29 arc(106.56,48.46) D15.2
Net-(D16-Pad2): length 10.9
  Top w0.25: MX16.2 arc(156.17,58.52) 156.73,57.17 156.73,50.96 arc(157.04,50.2) D16.2
Net-(D17-Pad2): length 10.9
  Top w0.25: MX17.2 arc(175.86,62.1) 176.33,60.99 176.33,53.49 arc(176.51,53.06) D17.2
Net-(D18-Pad2): length 10.7
  Top w0.25: MX18.2 arc(195.6,64.47) 195.98,63.55 195.98,55.97 arc(196.18,55.47) D18.2
Net-(D19-Pad2): length 9.8
  Top w0.25: D19.2 215.81,63.6 arc(215.5,65.18) MX19.2
Net-(D20-Pad2): length 10
  Top w0.25: MX20.2 234.51,58.12 arc(234.63,57.55) D20.2
Net-(D21-Pad2): length 10.2
  Top w0.25: MX21.2 24.96,39.31 arc(25.23,37.97) D21.2
Net-(D22-Pad2): length 9.9
  Top w0.25: MX22.2 52.01,36.27 arc(52.08,35.92) D22.2
Net-(D23-Pad2): length 10.4
  Top w0.25: MX23.2 71.91,33.85 arc(71.79,33.2) D23.2
Net-(D24-Pad2): length 10.3
  Top w0.25: MX24.2 91.81,31.24 arc(91.64,30.39) D24.2
Net-(D25-Pad2): length 21.6
  Top w0.25: KNOB2.S1 112.05,36.35 arc(111.94,36.1) MX25.2 arc(111.29,35.83) 111.13,35.43 111.13,29.53 arc(110.81,28.77) 110.04,28.45 D25.2
Net-(D26-Pad2): length 16.7
  Top w0.25: KNOB1.S1 149.62,38.68 MX26.2 arc(151.38,37.69) 151.93,36.37 151.93,32.42 arc(152.7,30.54) 154.58,29.77 D26.2
Net-(D27-Pad2): length 10.9
  Top w0.25: MX27.2 arc(170.93,41.34) 171.32,40.4 171.32,32.9 arc(171.57,32.29) D27.2
Net-(D28-Pad2): length 10
  Top w0.25: D28.2 191.31,41.23 arc(190.95,43.06) MX28.2
Net-(D29-Pad2): length 10.4
  Top w0.25: D29.2 211.05,43.36 arc(210.73,44.94) MX29.2
Net-(D30-Pad2): length 10.2
  Top w0.25: D30.2 235.55,44.86 arc(235.28,46.2) MX30.2
Net-(D32-Pad2): length 7.8
  Top w0.25: MX32.2 53.8,25.18 arc(56.51,24.06) D32.2
Net-(D33-Pad2): length 7.6
  Top w0.25: MX33.2 73.68,23.24 arc(76.29,22.16) D33.2
Net-(D34-Pad2): length 7.6
  Top w0.25: MX34.2 100.43,17.48 arc(103.61,16.16) D34.2
Net-(D35-Pad2): length 7.8
  Top w0.25: MX35.2 166.44,19.81 arc(167.91,19.2) D35.2
Net-(D36-Pad2): length 7.6
  Top w0.25: MX36.2 193.64,24.96 arc(195.36,24.25) D36.2
Net-(D37-Pad2): length 7.6
  Top w0.25: MX37.2 212.9,26.64 arc(214.96,25.78) D37.2
Net-(MX31-Pad2): length 7.7
  Top w0.25: MX31.2 32.14,27.7 arc(34.53,26.71) D31.2
Net-(MX38-Pad2): length 7.7
  Top w0.25: MX38.2 234.55,28.3 arc(236.94,27.31) D38.2
Net-(RGB1-Pad2): length 34.5
  Top w0.25: v1(53.38,53.2) v1(53.38,51.75)
  Bottom w0.25: v1(53.38,51.75) 53.38,51.2 arc(53.19,51.07) 52.97,51.03 50.05,51.03 arc(48.88,50.79) 47.89,50.13 RGB1.2 arc(38.58,40.6) 38.82,40.76 ; v1(53.38,53.2) arc(53.82,53.86) 53.98,54.64 53.98,62.99 arc(53.71,64.3) RGB2.4
Net-(RGB2-Pad2): length 54.5
  Top w0.25: v1(54.57,53.2) v1(54.57,51.75)
  Bottom w0.25: v1(54.57,53.2) 54.57,66.45 arc(54.99,68.54) RGB2.2 ; RGB3.4 76.26,30.96 arc(75.6,30.52) 74.81,30.36 73.87,30.36 arc(73.09,30.52) 72.43,30.96 71.83,30.96 arc(71.4,31.04) 71.04,31.29 70.11,32.21 arc(68.86,33.04) 67.39,33.34 65.18,33.34 arc(63.63,33.65) 62.31,34.53 61.28,35.56 arc(56.31,42.99) v1(54.57,51.75)
Net-(RGB3-Pad2): length 25.1
  Top w0.25: v1(92.67,47.86) v1(92.67,46.41)
  Bottom w0.25: RGB3.2 79.98,36.74 arc(80.19,37.79) 80.78,38.68 86.71,44.6 arc(87.42,45.08) 88.26,45.24 89.85,45.24 arc(91.38,45.55) v1(92.67,46.41) ; RGB4.4 92.26,48.85 arc(92.37,48.31) v1(92.67,47.86)
Net-(RGB4-Pad2): length 91.6
  Top w0.25: v1(161.75,47.94) 161.75,49.37 arc(161.73,49.44) v1(161.7,49.49) ; v1(93.86,47.86) v1(93.86,46.41)
  Bottom w0.25: v1(93.86,46.41) 97.34,46.41 arc(99.65,45.95) 101.6,44.65 103.56,42.69 arc(104.03,42.38) 104.58,42.27 105.17,42.27 arc(105.72,42.38) 106.19,42.69 106.36,42.86 arc(106.65,43.06) 107,43.13 151.14,43.13 151.64,43.13 152.56,43.13 arc(156.87,43.99) 160.54,46.43 161.54,47.44 arc(161.69,47.67) v1(161.75,47.94) ; v1(161.7,49.49) 161.7,53.78 arc(161.6,54.28) RGB5.4 ; RGB4.2 94.03,57.58 arc(93.46,56.73) 93.27,55.73 93.27,49.3 arc(93.42,48.52) v1(93.86,47.86)
Net-(RGB5-Pad2): length 41
  Top w0.25: v1(162.92,48.22) 162.92,49.59 arc(162.89,49.74) v1(162.81,49.86)
  Bottom w0.25: RGB6.4 176.95,34.02 arc(178.02,35.62) 178.4,37.5 178.4,43.31 arc(177.93,45.65) 176.61,47.63 arc(175.29,48.51) 173.74,48.82 164.35,48.82 arc(163.58,48.66) v1(162.92,48.22) ; v1(162.81,49.86) arc(162.45,50.4) 162.32,51.03 162.32,54.3 arc(162.89,57.17) RGB5.2
Net-(RGB6-Pad2): length 47.3
  Top w0.25: v1(200.93,54.38) 200.93,53.14 arc(200.95,53.03) v1(201.01,52.93)
  Bottom w0.25: v1(200.93,54.38) 200.93,64.64 arc(200.85,65.06) RGB7.4 ; RGB6.2 179.92,38.84 arc(179.23,39.87) 178.99,41.08 178.99,48.57 arc(179.15,49.35) 179.59,50.01 arc(180.9,50.89) 182.46,51.2 194.22,51.2 arc(195,51.04) 195.66,50.6 197.2,50.6 arc(197.88,50.74) 198.46,51.12 198.64,51.3 arc(198.73,51.75) 198.98,52.14 arc(199.92,52.76) 201.02,52.98 201.02,52.94 arc(201.02,52.94) v1(201.01,52.93)
Net-(RGB7-Pad2): length 49
  Top w0.25: v1(202.21,54.39) v1(202.21,52.94)
  Bottom w0.25: RGB8.4 218.87,36.65 arc(219.32,37.31) 219.47,38.1 219.47,42.33 arc(218.39,47.77) 215.3,52.39 arc(214.65,52.83) 213.87,52.98 202.31,52.98 arc(202.25,52.97) v1(202.21,52.94) ; v1(202.21,54.39) arc(201.77,55.05) 201.61,55.83 201.61,65.02 arc(202.18,67.88) RGB7.2
Net-(RGB8-Pad2): length 104.2
  Top w0.25: v1(134.34,15.02) v1(134.34,16.92)
  Bottom w0.25: v1(134.34,15.02) arc(134.04,15.22) 133.68,15.29 132.22,15.29 arc(131.15,15.08) RGB9.4 ; v1(134.34,16.92) arc(134.62,16.73) 134.95,16.67 143.82,16.67 arc(145.51,17) 146.95,17.96 153.99,25 arc(158.56,28.06) 163.95,29.13 171,29.13 arc(171.18,29.17) 171.33,29.27 171.56,29.5 arc(171.85,29.7) 172.2,29.77 arc(172.97,29.92) 173.63,30.36 arc(175.61,31.68) 177.94,32.15 188.86,32.15 arc(189.64,32.3) 190.3,32.74 arc(190.96,33.18) 191.74,33.34 208.51,33.34 arc(209.29,33.49) 209.95,33.93 arc(210.61,34.37) 211.38,34.53 218.28,34.53 arc(218.83,34.64) 219.3,34.95 219.65,35.3 arc(219.96,35.76) 220.07,36.31 220.07,37.28 arc(220.48,39.37) RGB8.2
Net-(RGB10-Pad4): length 58.8
  Top w0.25: v1(120.05,46.43) v1(120.05,42.4)
  Bottom w0.25: 119.46,34.22 119.46,40.96 arc(119.61,41.74) v1(120.05,42.4) ; RGB9.2 125.26,17.59 arc(124.24,16.91) 123.03,16.67 114.1,16.67 arc(113.68,16.84) 113.51,17.26 arc(113.62,17.81) 113.93,18.28 114.1,18.45 114.1,24.51 arc(114.41,26.07) 115.29,27.38 115.34,27.38 117.32,29.37 arc(118.9,31.74) 119.46,34.53 ; RGB10.4 124.41,56.94 arc(123.28,51.26) v1(120.05,46.43)

## Copper pours and planes (outline as drawn; the poured copper is in the pictures)
GND on Top: 253.15,100.57 258.76,-7.74 -1.98,-7.14 -1.98,100.61
GND on Bottom: 259.95,-8.33 -2.58,-8.33 -1.39,100.01 255.19,100.61

## Text on the board
B.Silkscreen: by: Dr. Higsby
F.Silkscreen: by: Dr. Higsby
